# Altium PCB PCB1.PcbDoc (part 1 of 3) (continued)
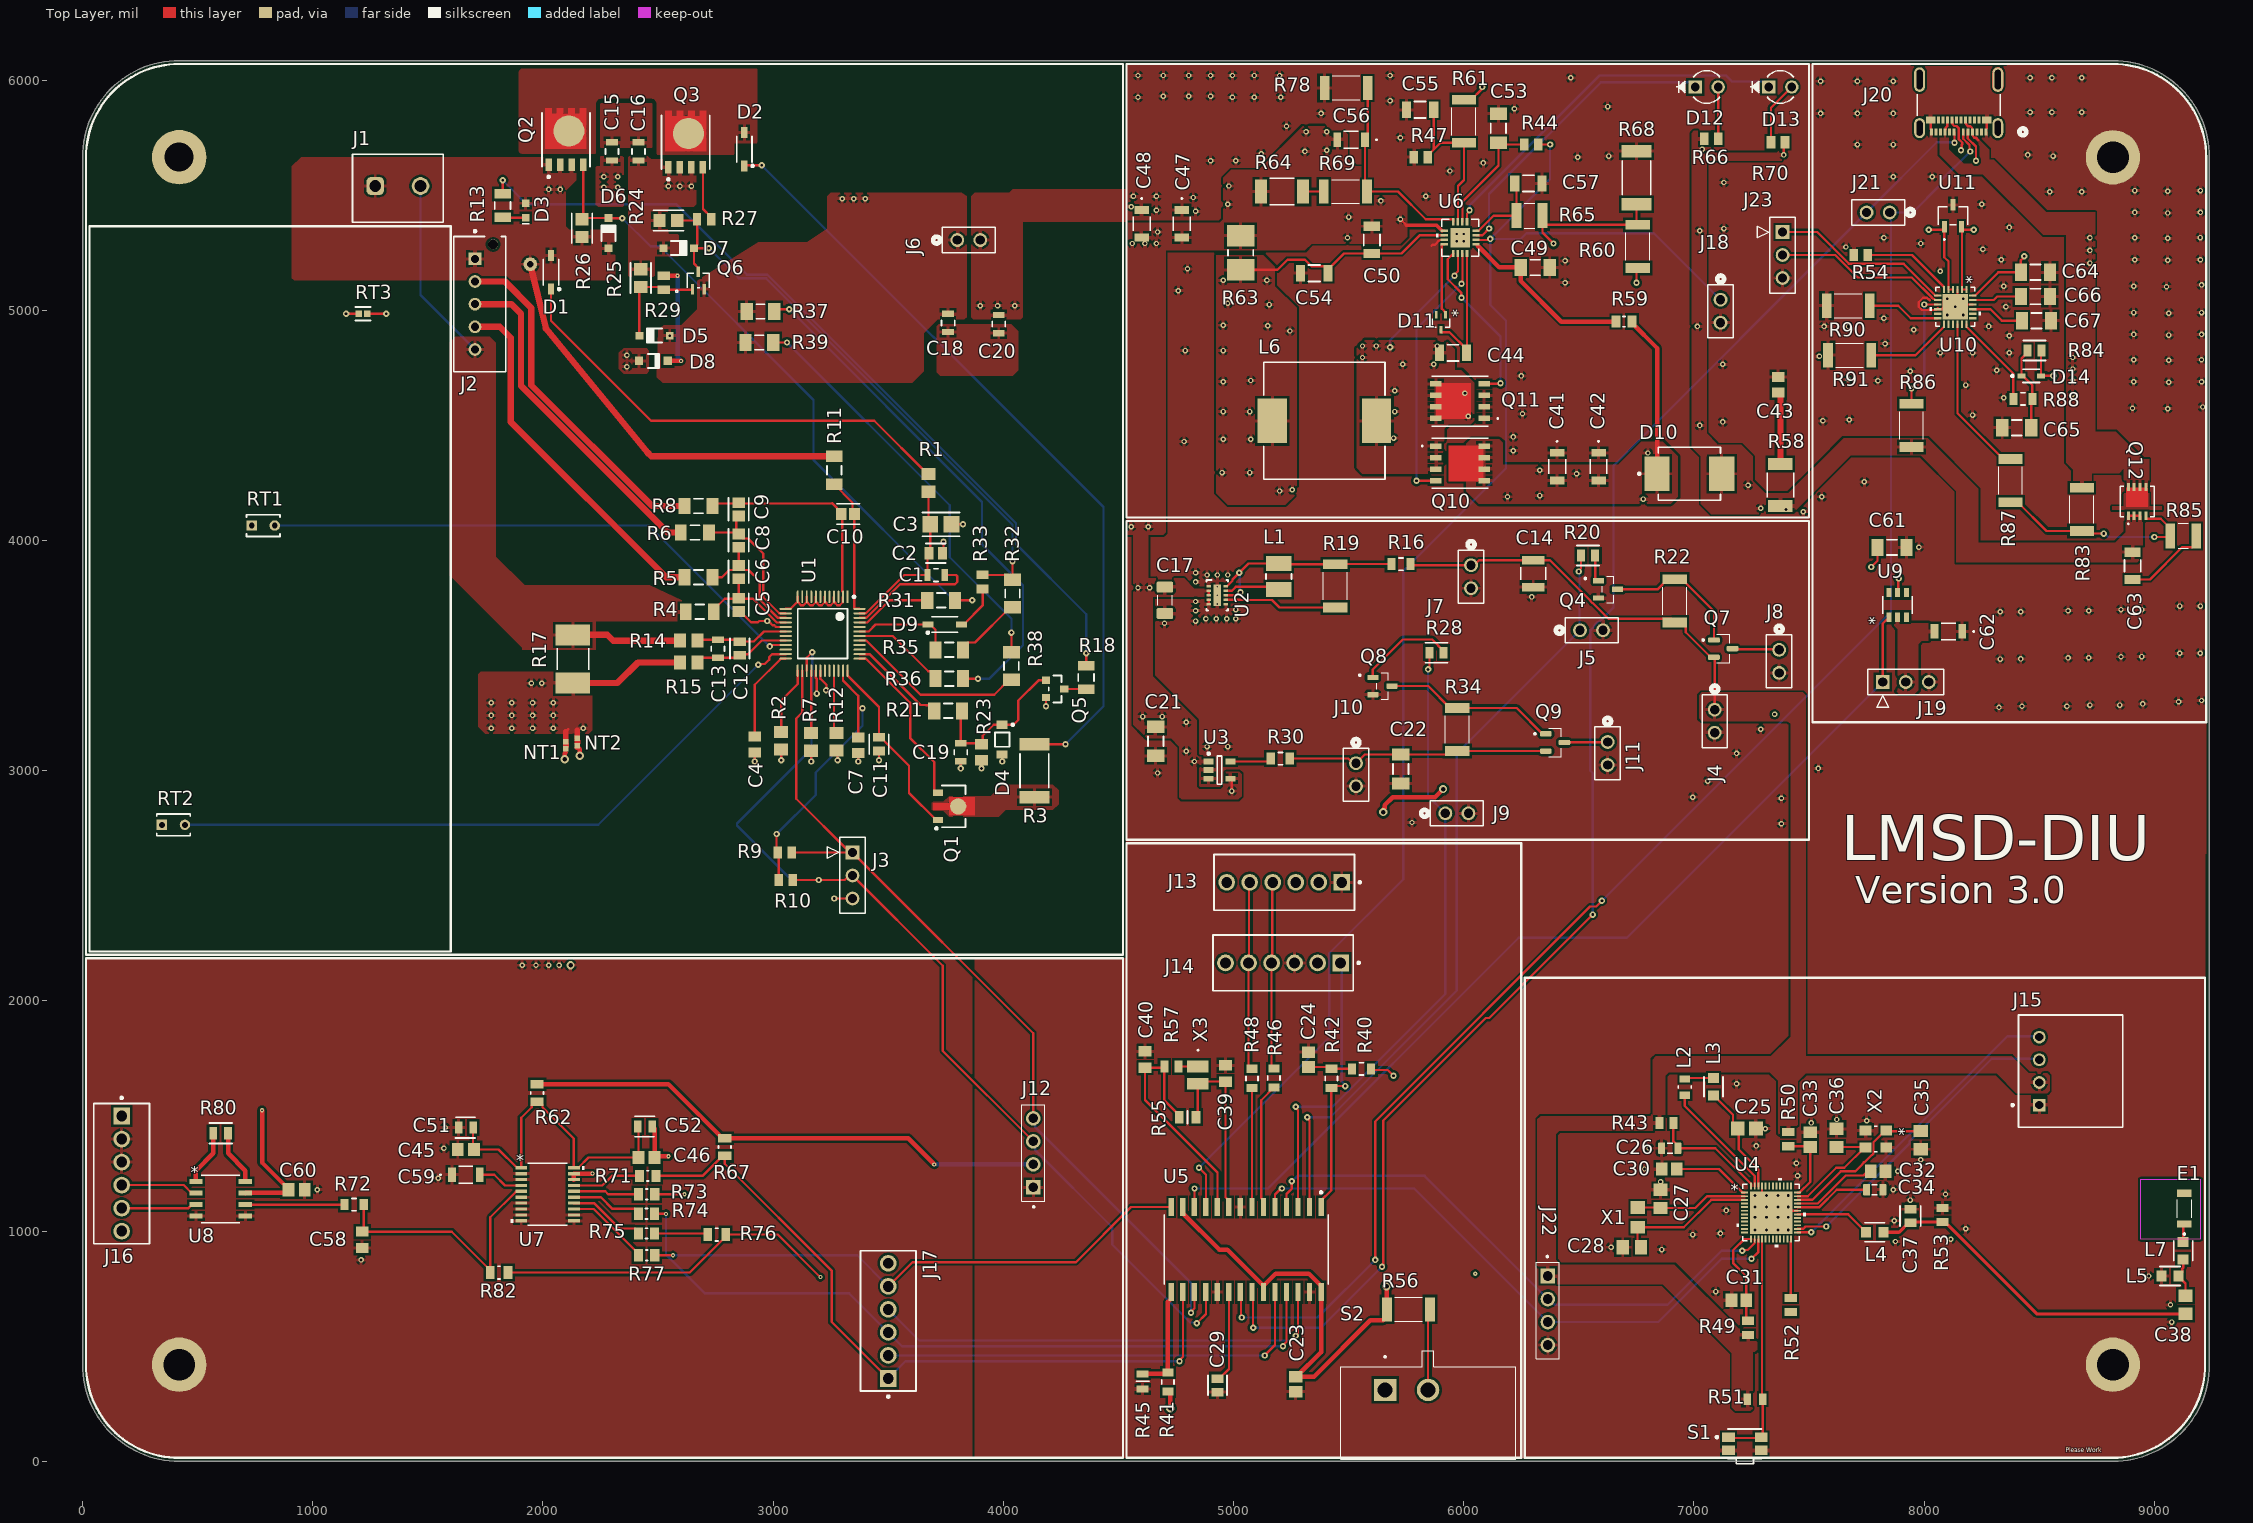
[diagram p0: Top Layer view]
## Footprints (in the part's own frame and the unit in brackets; to place one, negate y for a bottom-side part, rotate by r counter-clockwise, add the part's x,y. Pads: shape width x height; smd on the part's side, far side on the other; paste and mask are expansions set on the pad) (continued)
  silkscreen extent 0,-28 0,28, body extent -65,-38 65,38, height 10
FP-MCU0805-IPC_C [mil]
  rect 29.87x51.5 smd paste+0 mask+0: 1(-32.55,0) 2(32.55,0)
  silkscreen extent 0,-28 0,28, body extent -51,-31 51,31, height 10
FP-MLZ2012-1_25-MFG [mm]
  rect 0.8x1.2 smd paste+0 mask+0: 1(-0.9,0) 2(0.9,0)
  silkscreen extent -0.13,-0.72 0.13,0.72, body extent -1.4,-0.82 1.4,0.82, height 0.25
FP-NCP15-NCU15-0_05-IPC_A [mil]
  rect 28.16x26.48 smd paste+0 mask+0: 1(-18.84,0) 2(18.84,0)
  silkscreen extent -33,-29 33,29, body extent -41,-21 41,21, height 10
FP-PFB0048A-IPC_C [mm]
  rect 1.355x0.212 smd paste+0 mask+0: 1(-4.075,2.75)
  rrect100% 1.355x0.212 smd paste+0 mask+0: 2(-4.075,2.25) 3(-4.075,1.75) 4(-4.075,1.25) 5(-4.075,0.75) 6(-4.075,0.25) 7(-4.075,-0.25) 8(-4.075,-0.75) 9(-4.075,-1.25) 10(-4.075,-1.75) 11(-4.075,-2.25) 12(-4.075,-2.75) 25(4.075,-2.75) 26(4.075,-2.25) 27(4.075,-1.75) 28(4.075,-1.25) 29(4.075,-0.75) 30(4.075,-0.25) 31(4.075,0.25) 32(4.075,0.75) 33(4.075,1.25) 34(4.075,1.75) 35(4.075,2.25) 36(4.075,2.75)
  rrect100% 0.212x1.355 smd paste+0 mask+0: 13(-2.75,-4.075) 14(-2.25,-4.075) 15(-1.75,-4.075) 16(-1.25,-4.075) 17(-0.75,-4.075) 18(-0.25,-4.075) 19(0.25,-4.075) 20(0.75,-4.075) 21(1.25,-4.075) 22(1.75,-4.075) 23(2.25,-4.075) 24(2.75,-4.075) 37(2.75,4.075) 38(2.25,4.075) 39(1.75,4.075) 40(1.25,4.075) 41(0.75,4.075) 42(0.25,4.075) 43(-0.25,4.075) 44(-0.75,4.075) 45(-1.25,4.075) 46(-1.75,4.075) 47(-2.25,4.075) 48(-2.75,4.075)
  silkscreen extent -4.2,-2.75 2.75,3.59, body extent -4.85,-4.85 4.85,4.85, height 0.25
FP-RCC0805-E3-MFG [mm]
  rect 0.95x1.45 smd paste+0 mask+0: 1(-0.975,0) 2(0.975,0)
  silkscreen extent -0.13,-0.7 0.13,0.7, body extent -1,-0.63 1,0.63, height 0.5
FP-RMCF0805-IPC_A [mil]
  rect 53.33x57.56 smd paste+0 mask+0: 1(-38.42,0) 2(38.42,0)
  silkscreen extent -65,-45 65,45, body extent -85,-48 85,48, height 10
FP-RMCF0805-MFG [mm]
  rect 0.9x1.3 smd paste+0 mask+0: 1(-1.05,0) 2(1.05,0)
  silkscreen extent -0.23,-0.67 0.23,0.67, body extent -1.6,-0.77 1.6,0.77, height 0.25
FP-RN73R2A-IPC_C [mil]
  rect 33.67x53.39 smd paste+0 mask+0: 1(-32.5,0) 2(32.5,0)
  silkscreen extent -49,-44 49,44, body extent -39,-25 39,25, height 24
FP-RT0805-MFG [mm]
  rect 0.9x1.2 smd paste+0 mask+0: 1(-1.05,0) 2(1.05,0)
  silkscreen extent -0.23,-0.67 0.23,0.67, body extent -1.6,-0.77 1.6,0.77, height 0.25
FP-SOD323-MFG [mm]
  rect 0.86x0.54 smd paste+0 mask+0: 1(-1.07,0) 2(1.07,0)
  silkscreen extent -2.2,-0.72 0.9,0.72, body extent -1.6,-0.82 1.6,0.82, height 0.25
FP-SOT23-MFG [mm]
  rect 0.9x0.8 smd paste+0 mask+0: 1(-1,0.95) 2(-1,-0.95) 3(1,0)
  silkscreen extent -0.7,-1.5 0.7,1.5, body extent -1.55,-1.6 1.55,1.6, height 0.25
FP-SOT89-MFG [mm]
  rect 0.7x1.1 smd paste-1000 mask+0: 1(1.5,-1.75) 3(-1.5,-1.75)
  round 1.8 smd paste-1000 mask+0: 2(0,0.478)
  Top Layer region: -1,2.3 1,2.3 1,-0.5 0.35,-0.5 0.35,-2.3 -0.35,-2.3 -0.35,-0.5 -1,-0.5
  silkscreen extent -2.3,-2.05 2.55,1.3, body extent -2.4,-2.42 2.4,2.42, height 0.25
FP-WSL2010-1_47-MFG [mm]
  rect 2.36x3.05 smd paste+0 mask+0: 1(-1.88,0) 2(1.88,0)
  silkscreen extent -0.33,-1.4 0.33,1.4, body extent -3.16,-1.63 3.16,1.63, height 0.25
JST-S4B-XH-A(LF)(SN)_V [mm]
  rect 1.4x1.4 hole 0.9: 1(-3.75,0)
  round 1.4 hole 0.9: 2(-1.25,0) 3(1.25,0) 4(3.75,0)
  silkscreen extent -6.2,-9.2 6.2,3.07, body extent -6.2,-9.2 6.2,2.3, height 6.15
ONSC-SMC-2-403-03_V [mil]
  rect 110x150 smd: 1(-140.49,0) 2(140.49,0)
  silkscreen extent -222,-115 135,115, body extent -135,-115 135,115, height 99
ONSC-SOD-123-2-425-04_V [mm]
  rect 0.91x1.22 smd: 1(-1.635,0) 2(1.635,0)
  silkscreen extent -1.76,-0.8 0.78,1.29, body extent -1.35,-0.8 1.35,0.8, height 1.35
POWERFLAT_3P3X3P3_STM [mm]
  rect 0.91x0.331 smd paste+0 mask+0: 1(-1.598,0.975) 2(-1.598,0.325) 3(-1.598,-0.325) 4(-1.598,-0.975) 5(1.598,-0.975) 6(1.598,-0.325) 7(1.598,0.325) 8(1.598,0.975)
  Top Layer region: 1.499,-1.181 1.499,1.181 -0.61,1.181 -0.61,-1.181
  silkscreen extent -2.56,-1.88 1.68,1.88, body extent -1.75,-1.75 1.75,1.75, height 0.89
POWERPAK_SO-8_SINGLE [mil]
  rect 50x24 smd paste-24.5 mask-25: 1(-105,75) 2(-105,25) 3(-105,-25) 4(-105,-75) 5(105,-75) 6(105,-25) 7(105,25) 8(105,75)
  Top Layer region: -48,-77 -48,77 102,77 102,-77
  silkscreen extent -167,-108 123,108, body extent -121,-100 121,103, height 44
QFN24_STUSB4500_STM [mil]
  rect 32x10 smd paste+0 mask+0: 1(-75.5,49.23) 2(-75.5,29.53) 3(-75.5,9.84) 4(-75.5,-9.84) 5(-75.5,-29.53) 6(-75.5,-49.23) 13(75.5,-49.23) 14(75.5,-29.53) 15(75.5,-9.84) 16(75.5,9.84) 17(75.5,29.53) 18(75.5,49.23)
  rect 10x32 smd paste+0 mask+0: 7(-49.23,-75.5) 8(-29.53,-75.5) 9(-9.85,-75.5) 10(9.85,-75.5) 11(29.53,-75.5) 12(49.23,-75.5) 19(49.23,75.5) 20(29.53,75.5) 21(9.85,75.5) 22(-9.85,75.5) 23(-29.53,75.5) 24(-49.23,75.5)
  rect 110x110 smd paste+0 mask+0: 25(0,0)
  silkscreen extent -85,-112 85,112, body extent -79,-79 79,79, height 39
QFN48_6X6_QF_NOR [mm]
  rect 0.757x0.204 smd paste+0 mask+0: 1(-2.919,2.2) 2(-2.919,1.8) 3(-2.919,1.4) 4(-2.919,1) 5(-2.919,0.6) 6(-2.919,0.2) 7(-2.919,-0.2) 8(-2.919,-0.6) 9(-2.919,-1) 10(-2.919,-1.4) 11(-2.919,-1.8) 12(-2.919,-2.2) 25(2.919,-2.2) 26(2.919,-1.8) 27(2.919,-1.4) 28(2.919,-1) 29(2.919,-0.6) 30(2.919,-0.2) 31(2.919,0.2) 32(2.919,0.6) 33(2.919,1) 34(2.919,1.4) 35(2.919,1.8) 36(2.919,2.2)
  rect 0.204x0.757 smd paste+0 mask+0: 13(-2.2,-2.919) 14(-1.8,-2.919) 15(-1.4,-2.919) 16(-1,-2.919) 17(-0.6,-2.919) 18(-0.2,-2.919) 19(0.2,-2.919) 20(0.6,-2.919) 21(1,-2.919) 22(1.4,-2.919) 23(1.8,-2.919) 24(2.2,-2.919) 37(2.2,2.919) 38(1.8,2.919) 39(1.4,2.919) 40(1,2.919) 41(0.6,2.919) 42(0.2,2.919) 43(-0.2,2.919) 44(-0.6,2.919) 45(-1,2.919) 46(-1.4,2.919) 47(-1.8,2.919) 48(-2.2,2.919)
  rect 4.699x4.699 smd paste-2.349 mask+0: 49(0,0)
  silkscreen extent -3.81,-3.81 3.81,3.81, body extent -3,-3 3,3, height 0.89
RES_R2512_ROM [mil]
  rect 90.5x150 smd paste+0 mask+0: 1(-104.25,0) 2(104.25,0)
  silkscreen extent -46,-68 46,68, body extent -118,-61 131,65, height 26
RES_RMCF2010_STP [mil]
  rect 52x106 smd paste+0 mask+0: 1(-90.5,0) 2(90.5,0)
  silkscreen extent -52,-58 52,58, body extent -103,-53 103,53, height 28
RESC0805(2012)_L [mm]
  rect 0.85x1.3 smd: 1(-0.85,0) 2(0.85,0)
  body extent -1.1,-0.67 1.1,0.68, height 0.7
RESC2013X60X35NL10T20 [mm]
  rect 1x1.35 smd: 1(-0.9,0) 2(0.9,0)
  silkscreen extent -0.1,-0.58 0.1,0.58, body extent -1.05,-0.67 1.05,0.67, height 0.6
RESC2013X65X40LL15T20 [mm]
  rect 0.9x1.35 smd: 1(-0.775,0) 2(0.775,0)
  body extent -1.07,-0.72 1.07,0.72, height 0.65
RESC2013X70X40LL20T20 [mm]
  rect 0.95x1.35 smd: 1(-0.775,0) 2(0.775,0)
  body extent -1.1,-0.72 1.1,0.72, height 0.7
RESC2013X70X40ML20T20 [mm]
  rect 1.35x1.55 smd: 1(-0.975,0) 2(0.975,0)
  body extent -1.1,-0.72 1.1,0.72, height 0.7
RESC2013X70X40NL20T20 [mm]
  rect 1.15x1.45 smd: 1(-0.875,0) 2(0.875,0)
  body extent -1.1,-0.72 1.1,0.72, height 0.7
RESC3126X65N [mm]
  rect 1.07x2.77 smd: 1(-1.43,0) 2(1.43,0)
  silkscreen extent -0.57,-1.38 0.57,1.38, body extent -1.55,-1.3 1.55,1.3, height 0.65
RESC3216X60X45ML10T20 [mm]
  rect 1.3x1.8 smd: 1(-1.55,0) 2(1.55,0)
  silkscreen extent -0.5,-0.8 0.5,0.8, body extent -1.65,-0.85 1.65,0.85, height 0.6
RESC5025X65N [mm]
  rect 1.07x2.67 smd: 1(-2.38,0) 2(2.38,0)
  silkscreen extent -1.52,-1.32 1.52,1.32, body extent -2.37,-1.25 2.63,1.25, height 0.65
RVA16_2P14X2P14 [mm]
  rect 0.8x0.28 smd paste-0.14 mask-0.394: 1(-1.75,0.75) 2(-1.75,0.25) 3(-1.75,-0.25) 4(-1.75,-0.75) 9(1.75,-0.75) 10(1.75,-0.25) 11(1.75,0.25) 12(1.75,0.75)
  rect 0.28x0.8 smd paste-0.14 mask-0.394: 5(-0.75,-1.75) 6(-0.25,-1.75) 7(0.25,-1.75) 8(0.75,-1.75) 13(0.75,1.75) 14(0.25,1.75) 15(-0.25,1.75) 16(-0.75,1.75)
  rect 2.14x2.14 smd paste-1.057 mask-1.054: 17(0,0)
  round 0.508 hole 0.254 paste-2539.97 mask-0.254: V(0.394,0.394) V(0.394,-0.394) ""(-0.394,0.394) ""(-0.394,-0.394)
  silkscreen extent -2.06,-2.06 2.66,2.06, body extent -1.85,-1.85 1.85,1.85, height 1.4
SC-70_419AB-01_OSI [mil]
  rect 14.36x45.56 smd paste+0 mask+0: 1(-25.59,-38) 2(25.59,-38) 3(0,38)
  silkscreen extent -98,-52 48,32, body extent -44,-47 44,47, height 43
SHORT06-FP [mm]
  rect 0.6x0.6 smd paste-0.4 mask+0.102: 1(-0.4,0) 2(0.4,0)
  Top Layer region: -0.2,0.3 -0.2,-0.3 0.2,-0.3 0.2,0.3
SOIC-8_TEX [mil]
  rect 57.5x22 smd paste+0 mask+0: 1(-107.25,75) 2(-107.25,25) 3(-107.25,-25) 4(-107.25,-75) 5(107.25,-75) 6(107.25,-25) 7(107.25,25) 8(107.25,75)
  silkscreen extent -84,-103 84,103, body extent -122,-98 122,98, height 69
SOT95P237X112-3N [mm]
  rrect50% 1.3x0.59 smd: 1(-1.025,0.95) 2(-1.025,-0.95) 3(1.025,0)
  silkscreen extent -2.32,-1.57 0.7,1.57, body extent -1.25,-1.46 1.25,1.46, height 1.12
SOT95P240X111-3N [mm]
  rrect25% 1.23x0.6 smd paste+0 mask+0.102: 1(-1.06,0.95) 2(-1.06,-0.95) 3(1.06,0)
  silkscreen extent -2.6,-1.46 0.65,1.46, body extent -1.3,-1.52 1.3,1.52, height 1.2
SOT523_DIO [mil]
  rect 32x12 smd paste+0 mask+0: 1(-32.5,19.69) 2(-32.5,-19.68) 3(32.5,0)
  silkscreen extent -14,-38 22,39, body extent -34,-34 34,34, height 35
SOT-23-OT5_N [mm]
  rect 1.1x0.65 smd: 1(-1.2,0.95) 2(-1.2,0) 3(-1.2,-0.95) 4(1.2,-0.95) 5(1.2,0.95)
  silkscreen extent -1.32,-1.55 0.25,1.95, body extent -0.9,-1.55 0.9,1.55, height 1.45
SOT_A25L_STM [mil]
  rect 22x50 smd paste+0 mask+0: 1(-37.5,-48) 2(37.5,-48) 3(0,48)
  silkscreen extent -65,-106 65,40, body extent -60,-59 60,59, height 55
SULLINS_PPTC041LFBN-RC [mm]
  rect 1.605x1.605 / inner round 1.605 / far side rect 1.605x1.605 hole 1.07: 1(-3.81,0)
  round 1.605 hole 1.07: 2(-1.27,0) 3(1.27,0) 4(3.81,0)
  silkscreen extent -6.06,-1.27 5.33,1.27, body extent -5.33,-1.27 5.33,1.27, height 8.51
SW_L101011ML04Q [mm]
  rect 2.475x2.475 / inner round 2.475 / far side rect 2.475x2.475 hole 1.65: 1(-4.75,2.54)
  round 2.475 hole 1.65: 2(0,2.54)
  silkscreen extent -9.65,-5.08 9.65,6.86, body extent -9.65,-7.62 9.65,9.4, height 10.46
TLL_SERIES_VIS [mil]
  rect 58x58 / inner round 60 / far side rect 58x58 hole 38 paste-99999 mask+0: 1(0,0)
  round 58 / inner round 60 / far side round 58 hole 38 paste-99999 mask+0: 2(100,0)
  silkscreen extent -81,-71 108,71, body extent -13,-66 113,60, height 873
TSOT23-6_MP5035_MNP [mil]
  rect 39.5x22 smd paste+0 mask+0: 1(-53.25,37.4) 2(-53.25,0) 3(-53.25,-37.4) 4(53.25,-37.4) 5(53.25,0) 6(53.25,37.4)
  silkscreen extent -39,-64 39,64, body extent -59,-59 59,59, height 39
TSSOP20_ST_MCH [mil]
  rect 51.5x14 smd paste+0 mask+0: 1(-114.25,115.16) 2(-114.25,89.57) 3(-114.25,63.98) 4(-114.25,38.39) 5(-114.25,12.8) 6(-114.25,-12.8) 7(-114.25,-38.39) 8(-114.25,-63.98) 9(-114.25,-89.57) 10(-114.25,-115.16) 11(114.25,-115.16) 12(114.25,-89.57) 13(114.25,-63.98) 14(114.25,-38.39) 15(114.25,-12.8) 16(114.25,12.8) 17(114.25,38.39) 18(114.25,63.98) 19(114.25,89.57) 20(114.25,115.16)
  silkscreen extent -160,-135 160,135, body extent -126,-130 126,130, height 47
VISH-SOD-123-2_V [mm]
  rect 0.85x0.85 smd: 1(-1.675,0) 2(1.675,0)
  silkscreen extent -0.85,-0.77 0.85,0.78, body extent -1.35,-0.77 1.35,0.77, height 1.35
VISHAY_CRCW1206-E3_MFG [mm]
  rect 1.05x1.8 smd paste+0 mask+0: 1(-1.275,0) 2(1.275,0)
  silkscreen extent -0.38,-0.87 0.38,0.87, body extent -1.9,-1 1.9,1, height 0.25
WL-SMCW_0603_150060XX75000 [mm]
  rect 0.8x0.8 smd mask+0.1: 1(-0.8,0) 2(0.8,0)
  silkscreen extent -1.55,-0.4 -1.4,0.4, body extent -0.8,-0.4 0.8,0.4, height 0.7
XDCR_2450AT18B100E [mm]
  rect 0.8x1.6 smd: 1(-1.7,0) 2(1.7,0)
  silkscreen extent -2.9,-0.8 0.98,0.8, body extent -1.6,-0.8 1.6,0.8, height 0.7
XTAL_FC-135R_EPS [mil]
  rect 56x63 smd paste+0 mask+0: 1(-43,0) 2(43,0)
  body extent -71,-43 71,43, height 35
XTAL_NX3225GD-8MHZ-STD-CRA-3_NDK [mil]
  rect 51x94 smd paste+0 mask+0: 1(-37.5,0) 2(37.5,0)
  silkscreen extent -111,-3 -106,3, body extent -65,-51 65,51, height 39

## Part data
C1: library part CMP-2007-00089-2, "Ceramic Capacitor for Automotive 470nF  ±10% 25VDC X7R 0805 Paper T/R", Capacitance=470nF, Case Code (Imperial)=0805, Case Code (Metric)=2012, Dielectric=X7R, Max Operating Temperature=125°C, Min Operating Temperature=-55°C, Package Quantity=1, Ratings=AEC-Q200, Tolerance=10%, Voltage Rating=25V, Case/Package=0805, Depth=1.25mm, Height=0.85mm, Lead Free="Lead Free", Length=2mm, Mount="Surface Mount", Packaging="Tape and Reel", Radiation Hardening=No, Termination=SMD/SMT, Thickness=0.037inch, Voltage Rating (DC)=25V, Width=0.049inch
C2 C12: library part CMP-2007-00512-2, "CAP CER 100PF 100V C0G/NP0 0805", Manufacturer=KEMET, Manufacturer Part Number=C0805C101J1GACAUTO, Package=C0805C-DN, Temperature="-55°C to +125°C", Temperature Characteristic=C0G, Temperature Coefficient=30ppm/°C, Temperature Range High=+125°C, Temperature Range Low=-55°C, Tolerance=0.05, Voltage Rating="100 V", Automotive=No, Capacitance="100 pF", Category=Cap, ComponentLink2Description=Datasheet, ComponentLink2URL=https://content.kemet.com/datasheets/KEM_C1003_C0G_SMD.pdf, Device Class L1="Passive Components", Device Class L2=Capacitors, Device Class L3="Ceramic Capacitors", Digikey Description="CAP CER 100PF 100V C0G/NP0 0805", Height=0.88mm, Ipc Land Pattern Name=CAPC200125X78, Lead Free=Yes, Material=Ceramic, Octopart=https://octopart.com/c0805c101j1gacauto-kemet-22884341, RoHS=TRUE
C3: library part CMP-2000-06049-2, "Multilayer Ceramic Capacitors 1uF ±10% 100V X7R SMD 1206", Capacitance=1uF, Case Code (Imperial)=1206, Case Code (Metric)=3216, Dielectric=X7R, Max Operating Temperature=125°C, Min Operating Temperature=-55°C, Package Quantity=1, Resistor Type=Ceramic, Tolerance=10%, Voltage=100V, Case/Package=1206, Construction=Flat, Contact Plating=Tin, Depth=1.6mm, Height=1.6mm, Lead Free="Lead Free", Length=3.2mm, Mount="Surface Mount", Packaging="Tape and Reel", REACH SVHC="No SVHC", RoHS Compliant=Yes, Series=C, Termination=SMD/SMT, Thickness=0.051inch, Voltage Rating=100V, Voltage Rating (DC)=100V, Weight=0.000571oz, Width=0.063inch
C4 C43: library part EMK212B7225KG-T, "Description", Manufacturer_Name="TAIYO YUDEN", Supplier Part Number 1=8043977, Copyright="Copyright (C) 2025 Ultra Librarian. All rights reserved.", Manufacturer_Part_Number=EMK212B7225KG-T, Supplier 1="Future Electronics"
C5 C6 C8 C9 C10: library part CMP-08246-004834-1, "Multilayer Ceramic Capacitors 220nF ±10% 50V X7R SMD 0805", Capacitance=220nF, Case Code (Imperial)=0805, Case Code (Metric)=2012, Dielectric=X7R, Dielectric Material=Ceramic, Max Operating Temperature=125°C, Min Operating Temperature=-55°C, Package Quantity=1, Tolerance=10%, Voltage=50V, Case/Package=0805, Construction=Flat, Depth=1.25mm, Height=1.25mm, Lead Free="Lead Free", Length=2mm, Mount="Surface Mount", Number of Pins=2, Packaging="Tape and Reel", Radiation Hardening=No, REACH SVHC="No SVHC", Resistor Type=Ceramic, RoHS Compliant=Yes, Series=C, Termination=SMD/SMT, Thickness=0.057inch, Voltage Rating=50V, Voltage Rating (DC)=50V, Weight=0.000194oz, Width=0.049inch
C7: library part EMK212B7105KG-T, "No Description Available", Manufacturer_Name="TAIYO YUDEN", Supplier Part Number 1=587-1283-1-ND, Copyright="Copyright (C) 2026 Ultra Librarian. All rights reserved.", Manufacturer_Part_Number=EMK212B7105KG-T, Supplier 1=DigiKey
C11: library part CMP-2007-00334-2, "CAP CER 0.022UF 16V X7R 0805", Capacitance="22,000 pF", Manufacturer=KEMET, Manufacturer Part Number=C0805C223K4RACTU, Package=C0805C-DN, Temperature="-55°C to +125°C", Temperature Characteristic=X7R, Temperature Coefficient=30ppm/°C, Temperature Range High=+125°C, Temperature Range Low=-55°C, Tolerance=0.1, Voltage Rating="16 V", Automotive=No, Category=Cap, ComponentLink2Description=Datasheet, ComponentLink2URL=https://content.kemet.com/datasheets/KEM_C1003_C0G_SMD.pdf, Device Class L1="Passive Components", Device Class L2=Capacitors, Device Class L3="Ceramic Capacitors", Digikey Description="CAP CER 0.022UF 16V X7R 0805", Height=0.88mm, Ipc Land Pattern Name=CAPC200125X78, Lead Free=Yes, Material=Ceramic, Mouser Description="Cap Ceramic 0.022uF 16V X7R 10% SMD 0805 125°C Paper T/R", Octopart=https://octopart.com/c0805c223k4ractu-kemet-16264534, RoHS=TRUE
C13 C15 C16 C18 C19 C20: library part CMP-06035-027865-1, "Multilayer Ceramic Capacitors MLCC - SMD/SMT 0805 0.1uF 10%, 100VDC,  X7R 15%"
C14: library part CL32A226KAJNNNE, "Capacitor: ceramic; MLCC; 22uF; 25V; X5R; Â±10%; SMD; 1210; -55Ã·85Â°C", Package="SMD-2 Samsung", Check_prices=https://www.snapeda.com/parts/CL32A226KAJNNNE/Samsung/view-part/?ref=eda, MF="Samsung Electro-Mechanics", MP=CL32A226KAJNNNE, SnapEDA_Link=https://www.snapeda.com/parts/CL32A226KAJNNNE/Samsung/view-part/?ref=snap, Supplier 1=Avnet, Supplier Part Number 1=CL32A226KAJNNNE
C17: library part CL31B225KAHNNNE, Manufacturer Name=Samsung, Copyright="Copyright (C) 2025 Ultra Librarian. All rights reserved.", Manufacturer Part Number=CL31B225KAHNNNE, Manufacturer_Name=Samsung, Manufacturer_Part_Number=CL31B225KAHNNNE, Part Number=CL31B225KAHNNNE, Part Reference=C6, PCB Footprint=CAP_CL31_SAM, Supplier 1=Avnet, Supplier Part Number 1=CL31B225KAHNNNE
C21 C22 C49 C53 C61 C64 C65 C66 C67: library part CMP-1037-04668-1, "CAP 1uF 6.3V ±10% 1206 (3216 Metric) Thickness 1.45mm SMD", Case-EIA=1206, Case-Metric=3216, Rated Voltage="6.3 V", Tolerance=Â±10%, Max Thickness="1.45 mm", Technology=SMT
C23 C24 C30 C31 C32 C33: library part CMP-2007-01878-1, Manufacturer=Vitramon, Part Number=VJ0805Y104MXXMT
C25: library part CMP-001-00010-6, "Chip Capacitor, 1 uF, +/-10%, 25 V, 0805 (2012 Metric)", Capacitor Type=Ceramic, Case/Package=0805, Max Operating Temperature=125°C, Min Operating Temperature=-55°C, Tolerance=10%, Voltage Rating=25V, Mounting Technology=SM, Pins=2, RoHS Compliant=True
C26 C34: library part CMP-001-00080-4, "Chip Capacitor, 4.7µF +/-40%, 25V, 0805, Thickness 1.45 mm", Case/Package=0805, Max Operating Temperature=85°C, Min Operating Temperature=-55°C, Tolerance=20%, Voltage Rating=25V, Mounting Technology=SMT, Pins=2
C27 C28 C35 C36: library part CMP-1036-00967-1, "CAP 12pF 100V ±10% 0805 (2012 Metric) Thickness 1.45mm SMD", Case-EIA=0805, Case-Metric=2012, Rated Voltage="100 V", Tolerance=Â±10%, Max Thickness="1.45 mm", Technology=SMT
C29: library part CMP-03020-034663-1, "CAP CER 10UF 25V X5R 0805", Case Code (Imperial)=0805, Case Code (Metric)=2012, Dielectric=X5R, Dielectric Material=Ceramic, Max Operating Temperature=85°C, Min Operating Temperature=-55°C, Tolerance=10%, Voltage=25V, Capacitance=10uF, Case/Package=0805, Depth=1.25mm, Dissipation Factor=10%, Height=1.25mm, Lead Free="Lead Free", Length=0.079inch, Mount="Surface Mount", Packaging="Cut Tape", REACH SVHC="No SVHC", RoHS Compliant=Yes, Termination=Solder, Thickness=0.057inch, Voltage Rating=25V, Voltage Rating (DC)=25V, Width=0.049inch
C37: library part CMP-03020-014259-1, "CAP CER 0.8PF 250V C0G/NP0 0805", Capacitance="0.8 pF", Manufacturer=KEMET, Manufacturer Part Number=CBR08C808BAGAC, Package=CBR08C, Temperature="-55°C to +125°C", Temperature Characteristic=C0G, Temperature Coefficient=30ppm/°C, Temperature Range High=+125°C, Temperature Range Low=-55°C, Tolerance="0.1 pF", Voltage Rating="250 V", Automotive=No, Category=Cap, ComponentLink2Description=Datasheet, ComponentLink2URL=https://content.kemet.com/datasheets/KEM_C1030_CBR_SMD.pdf, Device Class L1="Passive Components", Device Class L2=Capacitors, Device Class L3="Ceramic Capacitors", Digikey Description="CAP CER 0.8PF 250V C0G/NP0 0805", Height=0.95mm, Ipc Land Pattern Name=CAPC200125X85, Lead Free=Yes, Material=Ceramic, Mouser Description="Multilayer Ceramic Capacitors MLCC - SMD/SMT 250volts .8pF C0G 0805 .1pF Tol RF", Octopart=https://octopart.com/cbr08c808bagac-kemet-23841679, RoHS=TRUE
C38: library part CMP-1036-00071-2, "CAP 1pF 100V ±0.1pF 0805 (2012 Metric) Thickness 1.45mm SMD", Case-EIA=0805, Case-Metric=2012, Rated Voltage="100 V", Tolerance=Â±0.1pF, Max Thickness="1.45 mm", Technology=SMT
C39 C40: library part CMP-1036-00537-1, "CAP 4.7pF 25V ±0.1pF 0805 (2012 Metric) Thickness 0.75mm SMD", Case-EIA=0805, Case-Metric=2012, Rated Voltage="25 V", Tolerance=Â±0.1pF, Max Thickness="0.75 mm", Technology=SMT
C41 C42 C47 C48 C56 C59 C62: library part CL31B106KAHNNNE, "Description", Manufacturer_Name=Samsung, Copyright="Copyright (C) 2025 Ultra Librarian. All rights reserved.", Manufacturer_Part_Number=CL31B106KAHNNNE, Supplier 1=Avnet, Supplier Part Number 1=CL31B106KAHNNNE
C44 C50 C54 C55 C57 C63: library part CMP-1037-04191-3, "CAP CER 0.1UF 25V X7R 1206", Capacitance="100 nF", Manufacturer=Yageo, Manufacturer Part Number=CC1206KRX7R8BB104, Package=CC1206-1.25, Temperature="-55°C to +125°C", Temperature Characteristic=X7R, Temperature Coefficient=15%, Temperature Range High=+125°C, Temperature Range Low=-55°C, Tolerance=0.1, Voltage Rating="25 V", Automotive=No, Automotive Grade=NA, Category=Cap, ComponentLink2Description=Datasheet, ComponentLink2URL=http://www.yageo.com/documents/recent/UPY-NP0X7R_HV_1KV-to-3KV_11.pdf, Device Class L1="Passive Components", Device Class L2=Capacitors, Device Class L3="Ceramic Capacitors", Digikey Description="CAP CER 0.1UF 25V X7R 1206", Footprint Url=http://www.yageo.com/exep/pages/download/literatures/UPY-C_GEN_24.pdf, Height=1.45mm, Lead Free=Yes, Material=Ceramic, Mouser Description="Multilayer Ceramic Capacitors MLCC - SMD/SMT 100nF 25V X7R 10%", Octopart=https://octopart.com/cc1206krx7r8bb104-yageo-42334534, RoHS=TRUE
C45 C46 C60: library part CMP-2007-01227-1, Manufacturer=Kemet, Part Number=C0805S104K5RACTU
C51 C52: library part CMP-2000-06106-2, "CAP CER 10UF 16V X7R 0805", Manufacturer="Samsung Electro-Mechanics America, Inc", Manufacturer Part Number=CL21B106KOQNNNE, Temperature="-55°C to +125°C", Temperature Characteristic=X7R, Temperature Coefficient=15%, Temperature Range High=+125°C, Temperature Range Low=-55°C, Tolerance=10%, Voltage Rating=16V, Automotive=No, Capacitance=10uF, Category=Cap, ComponentLink2Description=Datasheet, ComponentLink2URL=http://www.samsungsem.com/servlet/FileDownload?path=productsearch&sname=CL21B106KOQNNNE.pdf&oname=CL21B106KOQNNNE.pdf, Device Class L1="Passive Components", Device Class L2=Capacitors, Device Class L3="Ceramic Capacitors", Digikey Description="CAP CER 10UF 16V X7R 0805", Height=1.4mm, Ipc Land Pattern Name=CAPC200125X125, Lead Free=Yes, Material=Ceramic, Octopart=https://octopart.com/cl21b106koqnnne-samsung-19832289, Package=CL21B106KOQNNNE, RoHS=TRUE
C58: library part CMP-1036-04746-2, Manufacturer=Kemet, Part Number=C0805C105K4PACTU
D1 D2 D9: library part CMP-0303-00004-1, "Surface Mount Schottky Barrier Diode, 100 V, -55 to 125 degC, 2-Pin SOD123, RoHS, Tape and Reel", Manufacturer="Diodes Inc", Operating Temperature="-55 to 125 degC", ComponentLink1Description="Manufacturer URL", ComponentLink1URL=http://www.diodes.com/, ComponentLink2Description=Datasheet, ComponentLink2URL=http://diodes.com/datasheets/ds30044.pdf, ComponentLink3Description="Package Specification", ComponentLink3URL=http://diodes.com/datasheets/ds30044.pdf, CT@1 V="12 pF Typ.", DatasheetVersion="Rev. 16-2", IR@1.5 V="0.3 uA Max.", Mounting Technology="Surface Mount", PackageDescription="2-Pin SMD, Body 2.7 x 1.55 mm, Height 1.45 mm", Packing="Tape and Reel", PartNumber=BAT46W-7-F, RoHS=TRUE, V(BR)R="100 V Min.", VF@10 mA="0.45 V Max."
D3: library part CMP-1426-00001-4, "LED Low-Power Uni-Color Red 630nm 2V 2-Pin Chip 0603(1608Metric) T/R", Case Code (Imperial)=0603, Case Code (Metric)=1608, Color=Red, Forward Current=100mA, Forward Voltage=2V, Max Junction Temperature (Tj)=95°C, Max Operating Temperature=85°C, Max Reverse Voltage (DC)=5V, Min Operating Temperature=-40°C, Power Dissipation=72mW, Test Current=20mA, Case/Package=0603, Dominant Wavelength=625nm, Height=700µm, Length=1.6mm, Lens Style="Clear, Rectangular", Luminous Intensity=250mcd, Mount="Surface Mount", Packaging="Tape and Reel", Peak Wavelength=630nm, REACH SVHC=Unknown, Reverse Voltage=5V, RoHS=Compliant, Viewing Angle=140°, Wavelength=625nm, Width=800µm
D4: library part CMP-1060-00438-1, "Zener Voltage Regulator, 500 mW, 2-Pin SOD-123, Pb-Free, Tape and Reel", Manufacturer="On Semiconductor", ComponentLink1Description="Manufacturer URL", ComponentLink1URL=http://www.onsemi.com/, ComponentLink2Description=Datasheet, ComponentLink2URL=http://www.onsemi.com/pub_link/Collateral/MMSZ4678T1-D.PDF, ComponentLink3Description="Package Specification", ComponentLink3URL=http://www.onsemi.com/pub_link/Collateral/425-04.PDF, DatasheetVersion="Rev. 9", Mounting Technology="Surface Mount", P Max (W)=0.5, PackageDescription="2-Pin SOD, Body 1.6 x 2.69 mm", PackageReference=SOD-123-2-425-04, PackageVersion="Rev. G, 10/2009", Packing="Tape and Reel", PartNumber=MMSZ4697T1G, RoHS=Pb-Free, VZ Typ (V)=10
D5 D6 D7: library part CMP-0931-00032-1, "Small Signal Zener Diode, 16 V +/- 5%, -55 to 155 degC, 2-Pin SOD-123, RoHS, Tape and Reel", Manufacturer="Vishay Semiconductor", Operating Temperature="-55 to 150 degC", Power Dissipation (mW)=500, Test Current (IZT1) (mA)=7.8, Tolerance="+/- 5%", Zener Voltage (NOM.) (V)=16, ComponentLink1Description="Manufacturer URL", ComponentLink1URL=http://www.vishay.com/, ComponentLink2Description=Datasheet, ComponentLink2URL=http://www.vishay.com/docs/85774/mmsz5225.pdf, ComponentLink3Description="Package Specification", ComponentLink3URL=http://www.vishay.com/docs/85774/mmsz5225.pdf, DatasheetVersion="Rev. 1.9", Int. Construction=Single, Mounting Technology="Surface Mount", PackageDescription="2-Pin SMD, Body 2.7 x 1.55 mm, Height 1.35 mm", PackageReference=SOD-123-2, PackageVersion="Rev. 1.9", Packing="Tape and Reel", PartNumber=MMSZ5246B-E3-08, RoHS=TRUE, Zener Impedance (IZT1) (Max.) (Ohm)=17